# KiCad board data-center-dram-tester.kicad_pcb (continued)
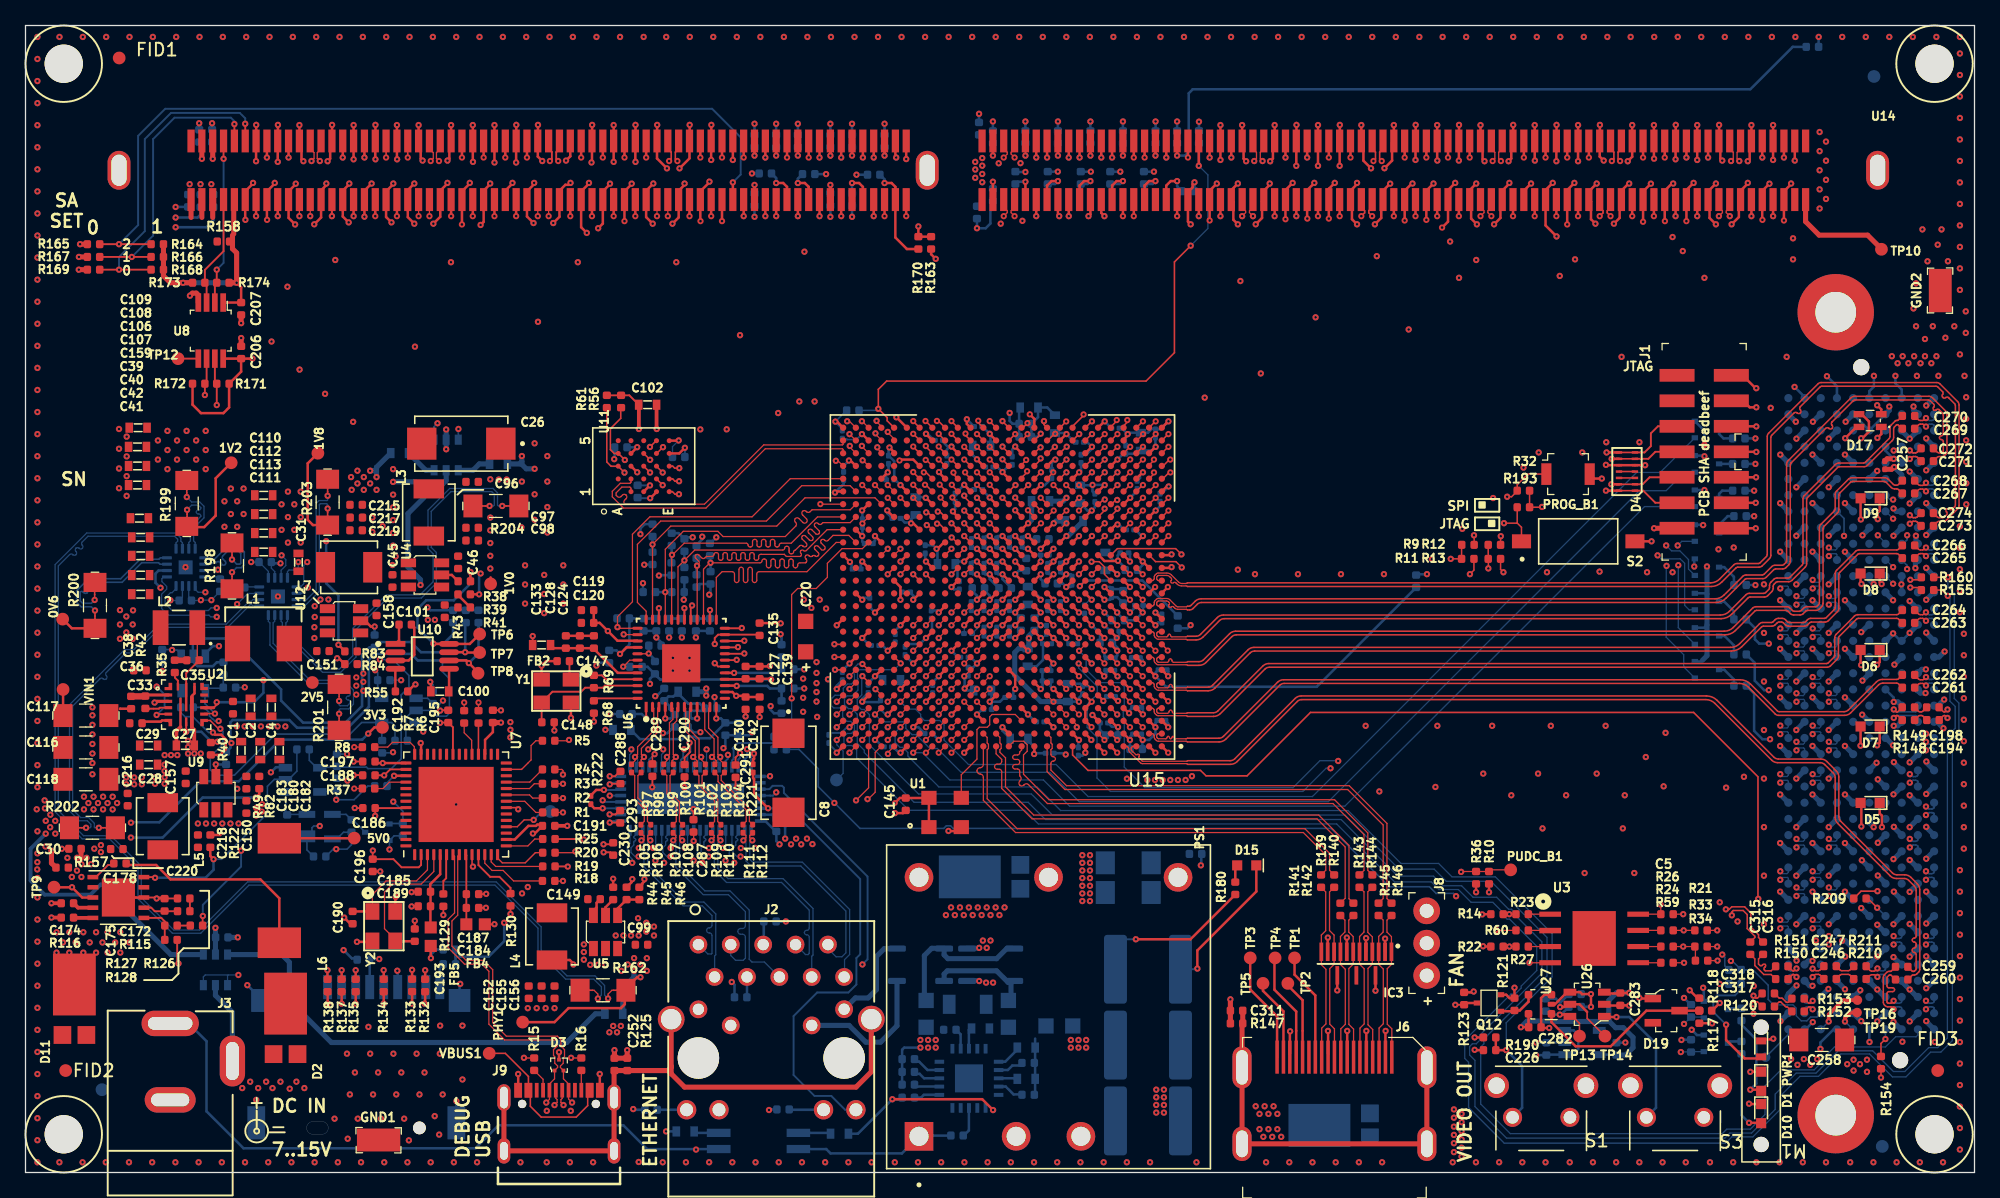
[diagram p0: board, top side]
## Routing (per net, layer and track width the routed paths; a pad name or vN(x,y) marks a point on that pad's centre or on a via; arc(x,y) is an arc through that point) (continued)
  Top w0.2: C130.2 v1(56.49,35.78) ; C127.2 C139.2 58.36,39.71 v1(58.39,39.74) ; C133.2 C128.2 C124.2 ; C147.2 40.84,40.13 v1(40.49,39.78) Y1.2 ; v1(41.49,34.68) 41.47,34.69 C148.2 ; Y1.4 v1(42.79,35.68) ; R68.1 v1(44.59,35.38) ; v1(106.65,18.35) 106.65,18.35 IC3.2 ; v1(105.16,18.39) 105.15,18.38 IC3.5 ; v1(103.65,18.43) 103.65,18.43 IC3.8 ; v1(102.16,18.43) 102.15,18.42 IC3.11 ; v1(106.69,11.11) 106.68,11.12 106.68,9.32 ; 105.18,11.11 v1(105.18,11.11) ; 105.18,11.12 105.18,9.31 ; 103.68,11.11 v1(103.68,11.11) ; 103.68,11.12 103.68,9.31 ; 102.18,11.12 v1(102.17,11.11) ; 102.18,11.12 102.18,9.32 ; 99.18,11.1 v1(99.2,11.08) ; 99.18,11.12 99.18,9.3 ; U15.A26 v1(63.64,32.94) ; U15.J12 v2(78.64,40.94) ; U15.B13 v1(76.64,34.94) ; U15.M4 v1(86.64,43.94) ; U15.T3 v1(87.64,47.94) U15.R2 ; 48.47,53.4 48.97,53.9 ; 47.48,55.44 47.98,54.94 ; U15.L16 v1(73.64,42.94) ; v1(48.55,23.02) 48.55,22.85 48.37,22.67 48.37,22.61 R46.2 ; v1(102.7,77.65) 102.24,77.19 U14.189 v2(102.24,74.85) ; U15.R14 v1(75.64,47.94) ; v1(95.44,82.19) U14.53 95.55,80.83 95.55,79.55 v1(95.75,79.35) ; v1(42.4,79.4) 42.74,79.74 U14.109 ; v1(135.77,60.04) 135.25,60.04 134.74,60.55 J1.11 ; v1(49.55,82.2) 49.55,80.95 U14.101 49.54,79.57 v1(50.32,78.79) ; v1(25.74,82.19) U14.129 v1(25.74,79.5) ; v1(99.7,82.2) 99.7,80.95 U14.48 v1(99.69,78.99) ; U15.U10 v1(79.64,48.94) ; v2(100.55,74.85) 100.54,74.86 U14.191 100.54,77.07 101.1,77.64 v1(101.1,77.65) ; C100.1 31.8,38.45 v1(31.75,38.5) ; v1(19.55,77.65) 19.55,77.6 18.94,76.99 U14.281 18.94,74.76 v3(18.95,74.75) ; v1(114.14,82.19) U14.31 114.3,80.78 114.3,79.5 v1(114.45,79.35) ; J1.3 v1(135.72,52.55) ; U14.6 135.37,80.93 ; U14.6 135.25,80.8 135.25,79.5 v1(135.1,79.35) ; U14.6 v1(135.39,82.19) ; v1(119.8,77.65) 119.24,77.09 U14.169 119.24,74.31 v1(120.1,73.45) ; v1(120.1,82.2) 120.1,80.95 U14.24 v1(120.09,79.35) ; v1(40.2,82.2) 40.2,80.95 U14.112 40.19,79.72 v1(40.54,79.37) ; J1.5 v1(135.75,54.55) ; v1(28.71,74.55) 28.29,74.97 U14.270 28.29,76.99 28.85,77.55 v1(28.85,77.6) ; C189.2 30.3,20.89 v1(30.29,20.88) ; v1(17.85,77.65) 17.85,77.6 17.24,76.99 U14.283 17.24,74.76 v1(17.25,74.75) ; v1(104.79,82.19) U14.42 104.95,80.78 104.95,79.39 v1(105.55,78.8) ; v1(59.24,43.09) 59.22,43.11 C135.2 ; U15.M23 v1(66.64,43.94) ; v1(110.74,82.19) U14.35 110.74,79.41 v1(110.75,79.4) ; v2(89.61,45.94) 89.11,45.44 ; v1(51.3,78.79) 52.09,79.57 U14.98 52.1,80.95 v1(52.1,82.2) ; v1(137.09,79.45) U14.4 v1(137.09,82.19) ; v1(36.45,77.6) 36.45,77.55 35.94,77.04 U14.261 35.94,74.59 v1(35.7,74.35) ; 25.48,19.52 v1(25,20) ; v1(125.8,77.6) 125.75,77.6 125.19,77.03 ; U15.W2 88.64,51.94 ; v1(127.05,55.5) D4.5 D4.10 124,55.5 v1(123.97,55.53) ; v1(42.75,77.65) 42.6,77.5 42.35,77.5 41.89,77.04 41.89,77.03 ; U15.R24 v1(65.64,47.94) ; U15.K19 v1(70.64,41.94) ; U14.50 97.85,80.8 97.85,79.56 v1(97.64,79.35) ; U14.50 97.97,80.93 ; U14.50 v1(97.99,82.19) ; Y2.2 27.13,18.1 v1(26,18.1) ; v1(116.8,14.5) R121.2 116.41,13.69 116.15,13.95 Q12.2 ; U15.R8 v1(82.64,47.94) ; v1(33.1,79.4) 33.25,79.55 33.25,80.8 U14.120 ; U15.L1 v1(88.64,43.94) ; v1(33.39,82.19) U14.120 ; U14.120 33.37,80.93 ; U15.B23 v1(66.64,33.94) ; U15.A6 v2(84.64,32.94) ; v1(46.14,79.3) U14.105 v1(46.14,82.19) ; v2(78.78,59.49) 79.14,59.13 U15.AF11 ; v1(130.85,77.65) 130.29,77.09 U14.156 v3(130.29,74.65) ; U15.AA16 73.64,53.94 ; v1(103.09,78.99) U14.44 103.1,80.95 v1(103.1,82.2) ; U15.AD17 72.64,56.94 ; v1(95.1,77.6) 94.59,77.09 U14.198 94.75,76.18 94.75,74.75 v1(95.1,74.4) ; 83.62,34.95 U15.C7 U15.D7 v2(83.64,36.94) U15.E7 ; v1(35.1,79.3) 35.09,79.31 U14.118 v1(35.09,82.19) ; v1(19.8,82.2) 19.8,80.95 U14.136 v1(19.79,79.3) ; v1(116.7,82.2) 116.7,80.95 U14.28 116.55,80.8 116.55,79.56 v1(116.34,79.35) ; v2(120.94,74.39) U14.167 120.94,77.09 v1(121.5,77.65) ; U15.AC20 69.64,55.94 68.63,55.94 v2(68.56,55.87) ; v1(135.1,77.65) 135.1,77.6 134.54,77.03 ; PROG_B1.2 123.05,54.45 v1(123.65,54.45) ; U15.AE14 75.64,57.94 ; U15.U12 v1(77.64,49.94) ; U15.N10 v1(80.64,44.94) ; 85.55,50.85 U15.V5 ; U14.2 v1(138.79,79.4) ; v1(41.4,74.5) 41.89,74.99 U14.254 ; U15.U18 72.04,49.44 71.54,48.94 v1(71.47,48.94) ; v1(72.4,26.8) 72.41,26.79 73.41,26.79 ; U15.P11 v1(79.64,46.94) ; v3(136.25,74.75) 136.24,74.76 U14.149 136.24,77.03 v1(136.8,77.59) ; v1(44.03,73.73) 43.59,74.17 U14.252 43.59,76.99 44.2,77.6 v1(44.2,77.65) ; U15.T9 v1(80.64,47.94) U15.R10 ; v1(135.77,56.54) 135.76,56.55 J1.7 ; v3(92.89,74.7) U14.200 92.89,77.04 v1(93.45,77.6) ; v1(23.7,79.35) 23.9,79.55 23.9,80.8 U14.131 24.05,80.95 v1(24.05,82.2) ; v2(126.89,74.6) U14.160 126.89,76.98 v1(127.5,77.59) ; v1(38.5,82.2) 38.5,80.95 ; v1(129.45,82.2) 129.45,80.95 U14.13 v1(129.44,79.5) ; U15.AA6 84.64,53.94 ; v1(22.65,74.4) 23.19,74.94 U14.276 23.19,77.06 23.6,77.48 v1(23.6,77.6) ; v1(118.1,77.6) 117.54,77.04 U14.171 ; U15.AB13 76.64,54.94 ; U15.L5 v3(85.64,42.94) ; 89.84,47.44 U15.R1 ; U15.U14 v1(75.64,49.94) ; v1(110.45,77.6) 109.89,77.04 U14.180 v2(109.89,74.75) ; 85.68,38.9 U15.G5 ; v1(91.7,77.7) 91.55,77.55 91.55,77.3 91.19,76.94 U14.202 91.19,74.61 v1(91.4,74.4) ; v1(113.68,9.62) 113.7,9.6 C226.2 ; U14.259 37.64,77.04 38.2,77.6 v1(38.2,77.65) ; v1(36.79,82.19) U14.116 v1(36.79,79.25) ; v1(45.85,77.59) 45.85,77.55 45.29,76.99 U14.250 45.29,74.46 v1(44.92,74.09) ; v1(44.4,79.25) 44.44,79.29 U14.107 44.45,80.95 v1(44.45,82.2) ; v1(123.5,82.2) 123.5,80.95 U14.20 123.49,79.71 v1(123.8,79.4) ; U15.C5 85.61,34.96 ; U15.Y19 70.64,52.94 ; v1(125.8,13.1) 125.78,13.11 C283.2 125.09,13.1 123.75,13.1 ; v1(123.25,77.6) 122.64,76.99 U14.165 122.8,76.18 122.8,74.8 v1(123.15,74.45) ; v1(38.64,7.73) 38.65,7.73 38.65,6.59 ; U15.H15 v1(74.64,39.94) ; v1(26.59,75) U14.272 26.59,77.04 v1(27.15,77.6) ; v1(30.59,38.3) 30.53,38.3 R55.2 ; v1(21.15,74.39) 20.64,74.9 U14.279 20.64,76.99 21.2,77.55 v1(21.2,77.59) ; v1(107.05,77.59) 107.04,77.59 106.49,77.03 ; 80.63,55.93 U15.AC10 ; v1(118.4,79.4) 118.39,79.41 U14.26 v1(118.39,82.19) ; U15.E14 v1(75.64,36.94) ; U15.G1 v1(89.64,38.94) ; v1(129.25,77.6) 129.15,77.6 128.59,77.04 U14.158 128.59,74.66 v2(128.6,74.65) ; U15.M11 v1(79.64,43.94) ; U15.V25 v1(65.64,49.94) ; v1(86.46,57.94) 86.46,57.84 86.14,57.52 U15.AE4 ; v2(86.64,41.94) U15.K4 ; v1(135.77,61.54) 135.71,61.54 134.7,62.55 J1.13 ; U15.A1 v2(89.64,32.94) ; v1(124.6,74.45) 125.05,74.9 125.05,76.2 U14.162 ; C101.2 30.5,42.76 30.5,40.62 30.05,40.17 U10.3 ; U14.239 v2(54.64,74.65) ; v1(101.39,82.19) U14.46 v1(101.39,78.99) ; v1(112.45,82.2) 112.45,80.95 U14.33 v1(112.44,79.4) ; v1(126.6,13.7) 126.65,13.65 D19.1 ; U15.M15 v1(74.64,43.94) ; U15.P12 v1(77.64,46.94) ; 3.36,25.4 v1(2.85,25.4) ; C145.2 68.84,28.2 v1(68.2,28.2) ; S2.2 v1(127.55,49.53) ; U14.184 106.35,76.2 106.35,74.9 v1(105.85,74.4) ; U14.39 107.2,80.8 107.2,79.4 v1(106.6,78.8) ; U14.39 v1(107.34,82.19) ; U14.39 107.32,80.93 ; U15.J22 v1(67.64,40.94) ; U2.16 13.26,37.6 13.05,37.4 13.05,36.14 U2.9 ; U15.K11 v1(79.64,41.94) ; 115.84,77.03 116.4,77.6 v1(116.4,77.65) ; v2(108.19,74.7) U14.182 108.19,77.04 108.75,77.6 v1(108.8,77.6) ; v1(47.85,82.2) 47.85,80.95 U14.103 47.84,79.31 v1(47.85,79.3) ; v1(53.65,77.75) 53.65,77.7 52.94,76.99 U14.241 52.94,74.66 v2(52.95,74.65) ; U15.E24 v1(65.64,36.94) ; U15.F21 v1(68.64,37.94) ; v1(53.8,82.2) 53.8,80.95 U14.96 v1(53.79,79.45) ; v2(88.61,45.94) 88.11,45.44 ; U15.C20 v1(69.64,34.94) ; v1(112.15,77.65) 111.59,77.09 U14.178 111.59,74.61 v2(111.12,74.14) ; J1.1 v1(135.72,50.55) ; v1(126.04,82.19) U14.17 126.04,79.7 v1(125.69,79.35) ; U15.P17 v1(72.64,45.94) ; v2(86.64,45.94) U15.P4 ; D3.3 v1(41.85,9.44) ; U15.T21 v1(68.64,47.94) ; v2(34.24,74.39) U14.263 34.24,76.99 34.85,77.6 v1(34.85,77.65) ; U15.L10 v1(80.64,42.94) ; v1(33.1,77.65) 33.1,77.6 32.54,77.04 U14.265 32.54,74.99 v1(31.99,74.45) ; v1(132.6,77.6) 131.99,76.99 U14.154 132.1,76.23 132.1,74.9 v1(132.6,74.4) ; U15.U8 v1(82.64,49.94) ; U7.45 28.91,31.13 ; U14.94 v1(55.49,79.45) ; U15.N12 v1(77.64,44.94) ; U27.3 119.15,13.95 118.88,13.69 118.88,11.4 118.94,11.34 v1(119.52,11.34) ; U15.N5 v1(84.64,45.94) ; U15.H25 v1(64.64,39.94) ; U15.D17 v1(72.64,35.94) ; U15.AD7 83.64,56.94 ; v1(99.4,77.65) 98.84,77.09 U14.193 v3(98.84,74.8) ; U15.L14 v1(75.64,42.94) ; v1(39.85,74.5) 39.34,75.01 U14.257 39.34,76.99 39.9,77.55 v1(39.9,77.65) ; v1(30.5,74.45) 29.99,74.96 U14.268 29.99,77.09 v1(30.5,77.6) ; U15.K13 v1(76.64,41.94) ; U15.F3 v2(87.64,37.94) ; 45.05,6.59 45.05,7.73 v1(45.04,7.73) ; v1(132.9,13.3) 132.3,12.7 R120.1 ; U15.H7 v1(83.64,39.94) ; U15.F11 v1(79.64,37.94) ; v1(127.75,79.55) 127.74,79.56 U14.15 v1(127.74,82.19) ; v1(104.45,74.4) 104.05,74.8 104.05,76.23 U14.187 103.94,77.04 104.45,77.55 v1(104.45,77.65) ; C193.2 v1(30.54,19.75) ; U15.A2 v2(88.64,32.94) ; U15.R5 v1(85.64,46.94) ; U15.T13 v1(76.64,48.94) ; v1(138.5,77.6) 138.5,77.55 137.94,76.99 U14.147 v3(137.94,74.7) ; v1(50.75,74.45) 51.24,74.94 U14.243 51.24,77.03 51.7,77.5 v1(51.7,77.6) ; 63.58,53.44 U15.AA26 ; U15.A5 v2(85.64,32.94) ; v1(49.25,77.6) 48.69,77.04 U14.246 48.69,74.96 v1(49.2,74.45) ; U15.B7 83.61,33.97 ; v1(25.35,74.55) 24.89,75.01 U14.274 24.89,77.04 25.4,77.55 v1(25.4,77.6) ; v1(27.45,79.5) 27.44,79.51 U14.127 27.45,80.95 v1(27.45,82.2) ; U15.T4 v1(86.64,47.94) ; U7.41 31.03,33.67 v1(31,33.7) ; v1(30.29,22) 30.31,22.03 C185.2 ; U15.F4 v2(86.64,37.94) ; 29.14,79.51 U14.125 v1(29.14,82.19) ; U14.195 97,76.2 97,74.9 v1(96.5,74.4) ; U15.E2 v2(88.64,36.94) ; v1(24.45,40.35) 24.58,40.35 25.04,39.89 ; U15.A16 v1(73.64,32.94) ; v1(30.84,82.19) U14.123 31,80.78 31,79.55 v1(31.15,79.4) ; U15.P15 v1(74.64,46.94) ; U15.AB3 87.64,54.94 ; 89.84,48.44 U15.T1 ; U15.Y9 81.64,52.94 ; v1(47.55,77.59) 47.55,77.55 46.99,76.99 U14.248 v2(46.99,74.65) ; v1(121.79,79.35) U14.22 v1(121.79,82.19) ; U15.G8 v2(82.64,38.94) ; U15.K7 v1(83.64,41.94) ; v1(115.2,74.4) 115.7,74.9 115.7,76.2 U14.173 ; v1(29.04,21.63) 29.01,21.6 Y2.4 ; U15.J5 v1(85.64,40.94) ; U15.B4 v1(86.64,33.94) ; U15.W12 77.64,51.94 ; v1(21.49,82.19) U14.134 21.65,80.78 21.65,79.5 v1(21.8,79.35) ; U15.E1 89.6,36.98 ; U15.K9 v1(81.64,41.94) ; v2(87.64,45.94) U15.P3 ; v1(109.05,82.2) 109.05,80.95 U14.37 v1(109.04,79.45) ; U15.C10 v1(80.64,34.94) ; U15.N20 v1(69.64,44.94) ; U15.AB23 v1(67.64,54.94) ; U15.N11 v1(79.64,44.94) ; U11.E5 51.22,57.42 ; v1(113.85,74.4) 113.4,74.85 113.4,76.23 U14.176 113.29,77.09 v1(113.8,77.6) ; U15.N14 v1(75.64,44.94) ; 8.04,36.39 7.43,36.39 7.41,36.38 ; v1(133.83,74.4) 134.4,74.97 134.4,76.2 U14.151 ; IC1.11 IC1.8 ; U15.AF1 89.64,58.94 ; 67.6,51.93 68.09,51.44 ; U15.P13 v1(76.64,46.94) ; U15.L12 v1(77.64,42.94) ; U15.R11 v1(79.64,47.94) ; 68.32,59.26 U15.AF21 ; v1(131.14,79.45) U14.11 v1(131.14,82.19) ; U15.E5 85.58,37 ; v1(93.74,79.45) U14.55 v1(93.74,82.19) ; U15.A7 v1(83.14,32.94) ; U15.K3 87.6,41.98 ; U15.AE24 65.64,57.94 ; U15.G18 v1(71.64,38.94) ; U15.N7 v1(83.64,44.94) ; v1(135.77,58.54) 135.76,58.55 J1.9 ; U15.D4 v1(86.57,36.04) ; v1(133.1,79.4) 132.95,79.55 132.95,80.83 U14.9 132.85,80.95 v1(132.85,82.2) ; U15.R12 v1(77.64,47.94) ; U15.T11 v1(78.64,48.94) ; v1(97.6,77.6) 97.6,77.5 97.14,77.03 ; U14.114 v1(38.49,79.25) ; U15.T15 v1(74.64,48.94) ; U15.M13 v1(76.64,43.94) ; U15.P9 v1(81.64,46.94) ; v1(18.1,82.2) 18.1,80.95 U14.138 v1(18.09,79.35) ; R36.2 v1(113.79,21.99) ; C142.2 v1(57.59,35.74) ; U15.M7 v1(83.64,43.94) ; U15.L26 v1(63.64,42.94) ; U15.C1 v1(89.64,34.94) ; U15.H4 v1(86.64,39.94) ; U15.M9 v1(81.64,43.94)
  Top w0.25: 10.29,36.95 10.3,36.97 11.2,36.97
  Top w0.3: C27.2 13.24,34.73 13.05,34.91 13.05,37.3 ; R116.1 v1(2.04,20) ; C191.2 v1(42.5,27.2) ; C102.2 49.5,58.35 ; C174.2 v1(2.04,21.13)
  Top w0.4: v1(16.92,66.64) C207.2 ; v1(12.9,68.8) 13.1,69 13.4,69 13.56,68.84 U8.4 ; C257.2 146.03,56 v1(146.55,56) ; v1(94.51,13.58) C311.1 R147.1 ; R169.2 v1(4.18,70.84) ; v1(47.2,9.6) R125.1 C252.1 v1(46.2,9.6) ; R165.2 v1(4.28,72.84) ; v1(16.92,65.48) C206.2 ; R167.2 v1(4.19,71.84)
  Bottom w0.1: v1(14.11,45.53) 13.54,45.53 13.34,45.73 13.34,45.99 U19.1 ; C65.2 75.37,44.94 v1(75.64,44.94) ; v1(20.09,48.43) 20.42,48.09 20.42,47.63 20.05,47.26 U20.3 ; v1(80.64,44.94) 80.37,44.94 C51.2 ; v1(74.64,43.94) 74.37,43.94 C64.2 ; v1(65.64,36.94) 65.68,36.94 ; C54.2 81.64,41.72 v1(81.64,41.94) ; C67.2 75.37,42.94 v1(75.64,42.94) ; U19.15 15.02,47.23 v1(15.09,47.3) ; C50.2 81.37,43.94 v1(81.64,43.94) ; C235.2 19.05,47.17 U20.1 ; v1(12.55,47.5) 12.56,47.49 U19.17 ; U16.1 47.39,31.82 47.39,32.78 47.53,32.91 v1(47.53,33.2) ; U16.6 49.89,31.82 49.89,32.79 50.03,32.92 v1(50.03,33.2) ; U20.15 18.32,45.43 17.43,45.43 v1(16.6,44.6) ; 83.1,44.55 83.49,44.94 v1(83.64,44.94) ; v1(49.22,25.47) 49.43,25.68 49.43,26.83 U16.44 ; C77.2 79.64,41.67 v1(79.64,41.94) 79.79,41.94 80.09,42.24 ; v1(76.64,41.94) 76.37,41.94 C68.2 ; U16.39 51.93,26.83 51.93,25.68 v1(51.72,25.47) ; U16.33 54.93,26.83 54.93,25.68 v1(54.72,25.47) ; v1(51.24,57.44) 50.75,56.95 C103.2 ; C66.2 76.37,43.94 v1(76.64,43.94) ; C55.2 77.37,44.94 v1(77.64,44.94) ; v1(11.37,44.9) 11.39,44.88 C234.2 12.31,45.14 U19.3 ; C7.2 77.69,42.94 v1(77.64,42.94) 77.37,42.94 C69.2 ; U20.6 21.7,45.45 v1(22.15,45.9) ; v1(53.43,33.2) 53.43,31.81 U16.13 ; v1(73.64,42.94) 73.64,42.31
  Bottom w0.12: Q11.2 v1(28.55,25.35)
  Bottom w0.127: R216.2 17.17,38.05 v1(17.2,38.08) ; R212.1 21.24,26.38 U18.1 ; R215.1 31.96,38.29 v1(31.75,38.5) ; v1(28.83,32.98) 28.78,32.92 R217.2 ; C233.2 22.07,25.31 U18.1 ; v1(25.22,32.83) 25.22,32.83 R213.2 ; U18.1 22.47,26.78 22.47,27.05 22.61,27.19 v1(23.08,27.19) ; v1(25.25,30.75) 25.06,30.94 C236.2 ; R214.1 v1(10.72,39.35) ; R124.1 28.91,26.42 Q11.2 ; v1(28.91,31.13) 28.36,30.58 C232.2 ; C237.2 14,36.5 14.43,36.07 14.43,35.83 14.65,35.61 14.68,35.61 14.86,35.42 v1(15.15,35.42) ; v1(65.61,57.94) 65.18,57.51 64.46,57.51 64.41,57.55 64.1,57.55 C90.2 ; C275.2 v1(29.46,38.63)
  Bottom w0.15: v1(48.98,53.91) 48.05,53.91 ; v1(51.66,33.21) 51.59,33.14 51.59,32.56 51.41,32.38 U16.9 ; U16.24 58.41,29.58 58.42,29.57 58.63,29.57 v1(58.89,29.83) ; U16.53 45.84,29.58 v1(45.83,29.57) ; v1(45.83,30.46) 45.95,30.58 U16.55 ; v1(45.83,27.46) 45.95,27.58 U16.49 ; C134.2 54.05,36.61 v1(54.05,37.3) ; v1(56.6,33.22) 56.6,32.6 56.41,32.41 U16.19 ; U16.16 54.91,32.29 55.1,32.48 v1(55.1,32.77) ; 65.67,36.91 v1(65.64,36.94) ; U16.21 58.38,31.08 v1(58.4,31.1) ; v1(63.64,32.94) 63.64,33.01 63.02,33.63 C306.2
  Bottom w0.2: R94.2 49.86,41.6 v1(49.49,41.98) C131.2 C123.2 ; v1(44.79,39.78) 45.01,39.99 C136.2 ; C141.2 C126.2 v1(52.59,41.98) ; C138.2 v1(51.49,41.98) ; C122.2 v1(50.49,41.98) ; 61.94,78.34 v1(62.8,78.34) ; v1(90.34,82.47) C153.2 ; v1(88.52,78.53) 87.76,78.53 ; C121.2 49.49,37.37 v1(49.4,37.37) ; Q2.2 131.45,40.1 131.55,40.2 ; v1(51.64,44.94) 51.67,44.97 R92.2 ; J5.D22 146.55,37.26 v1(146.55,36.92) ; v1(70.62,52.94) 70.56,53 C6.2 ; v1(46.18,55.97) 46.22,56.01 46.22,56.9 ; v1(88.64,43.94) 88.79,43.79 C253.2 ; C89.2 67.7,55 v1(67.64,54.94) 67.5,54.81 C92.2 ; v1(79.64,44.94) 79.64,45.04 78.7,45.97 C22.2 ; R90.2 52.88,46.17 R91.2 53.74,45.44 v1(53.64,45.34) ; v1(71.64,38.94) 71.16,38.46 C307.2 ; C11.2 82.09,46.84 81.99,46.94 v1(81.64,46.94) 81.39,46.94 81.19,47.14 C47.2 ; v1(59.24,42.24) 59.31,42.17 R96.2 ; C298.2 67.6,51.73 v1(67.6,51.95) ; C308.2 75.79,36.79 v1(75.64,36.94) ; J5.C40 147.18,61.44 146.68,61.93 v1(146.68,62.51) ; v1(65.64,36.94) 65.64,37.17 C299.2 ; v1(77.2,59.6) 77.2,58.97 77.43,58.75 C146.2 ; v1(87.64,47.94) 87.64,47.68 C37.2 ; Q9.2 131.65,56.25 v1(131.7,56.2) ; C56.2 78.19,49.09 78.34,48.94 v1(78.64,48.94) ; v1(83.7,53.95) 83.68,53.92 C80.2 ; v1(83.7,53.95) 83.7,53.45 C72.2 ; v1(83.7,53.95) 84.65,53.95 v1(84.66,53.94) ; v1(66.64,43.94) 66.22,44.35 C279.2 ; v1(57,34.55) 56.76,34.31 C140.2 C137.2 54.9,33.45 v1(54.75,33.3) ; C15.2 77.24,34.06 76.64,34.66 v1(76.64,34.94) ; C203.2 14.74,74.72 14.19,74.17 v1(11.78,74.17) ; C114.2 82.75,38.35 C53.2 83.41,38.17 v1(83.64,37.94) ; Q1.2 v1(131.7,53.55) ; C94.2 65.8,49.35 65.64,49.51 v1(65.64,49.94) 65.65,49.95 C93.2 ; v1(83.57,78.53) 82.81,78.53 ; v1(130.9,47.55) 130.9,48.1 Q5.2 ; v1(130.7,11.2) 131.12,10.78 131.65,10.78 ; v1(66.64,33.94) 66.71,33.94 67.25,33.4 C84.2 ; v1(81.6,32.8) 81.5,32.9 C305.2 ; C276.2 65.52,47.82 v1(65.64,47.94) ; C63.2 76.19,49.04 76.29,48.94 v1(76.64,48.94) ; C313.2 140.66,89.1 v1(140.66,89.1) ; v1(79.64,37.94) 79.78,38.08 C86.2 79.77,38.58 C303.2 ; v1(89.64,38.94) 89.64,39.31 89.52,39.43 C250.2 ; C165.2 v1(67.39,82.29) ; J5.G1 141.84,11.23 140.8,10.2 v1(140.8,9.7) ; v1(69.64,44.94) 69.65,44.95 69.65,45.25 69.4,45.5 69.4,45.55 ; v1(86.64,39.94) 86.64,40.26 86.78,40.4 C251.2 ; C177.2 v1(63.14,74.99) ; C10.2 25.91,16.8 25.6,16.8 v1(24.95,17.45) ; C295.2 77.21,55.53 v1(76.64,54.96) 76.25,55.35 C44.2 ; C302.2 66.93,36.91 65.67,36.91 ; C81.2 75.7,57.9 v1(75.64,57.96) 75.07,58.53 C74.2 ; C85.2 82.91,32.71 v1(83.14,32.94) ; C248.2 86.85,34.4 86.64,34.19 v1(86.64,33.94) 86.64,33.94 C256.2 ; C88.2 69.22,41.47 70.17,41.47 v1(70.64,41.94) 71.11,42.41 71.11,43.4 C301.2 ; v1(92.2,24.1) 92.24,24.14 92.24,24.9 ; C286.2 83.19,56.32 83.66,56.78 v1(83.66,56.94) 83.3,57.3 C296.2 ; R89.2 51.69,45.55 ; v1(79.64,47.94) 79.63,47.95 C9.2 ; 80.28,49.7 80.28,49.59 v1(79.64,48.94) ; Q4.2 131.7,42.75 131.9,42.95 ; v1(75.64,36.94) 76.44,36.94 76.78,37.28 C310.2 ; v1(75.64,36.94) 75.78,37.08 75.78,37.83 ; v1(55.4,14.95) 55.62,14.73 55.62,13.75 ; v1(74.8,83.07) 74.8,83.07 C204.2 ; C61.2 75.19,49.76 75.36,49.94 v1(75.64,49.94) ; C76.2 87.43,54.5 87.43,54.71 v1(87.66,54.94) ; v1(59.15,25.75) 58.9,26 C292.2 58.84,26.77 58.03,27.58 U16.28 ; v1(88.65,82.47) C154.2 ; C146.2 77.94,59.94 R66.2 ; C146.2 C18.2 ; v1(86.46,57.94) 86.57,58.05 C24.2 88.05,58.05 88.35,58.35 88.6,58.35 C34.2 89.03,58.31 v1(89.66,58.94) ; v1(86.46,57.94) 86.31,57.79 C71.2 ; v1(86.46,57.94) 85.99,58.4 C75.2 ; v1(75.64,47.94) 75.37,47.94 75.19,47.76 C59.2 ; 58.88,19.7 v1(59.65,19.7) ; J5.F39 J5.E38 J5.D39 145.91,59.5 ; C32.2 74.01,53.59 v1(73.64,53.96) 72.95,53.27 C278.2 ; C19.2 79.98,46.22 79.64,46.56 v1(79.64,46.94) ; R93.2 48.55,47.7 v1(48.54,47.69) ; v1(49.69,46.84) 49.72,46.87 R77.2 ; v1(84.64,45.94) 85.08,45.94 85.2,45.82 C238.2 85.97,45.78 C239.2 ; v1(88.66,51.94) 89,52.28 C143.2 ; C60.2 74.19,47.06 74.31,46.94 v1(74.64,46.94) ; v1(15.17,41.3) 14.69,41.3 14.11,40.72 U23.3 ; v1(52.94,34.55) 52.4,34.55 51.99,34.97 C125.2 ; C144.2 77.91,47.22 v1(77.64,46.94) ; J7.10 34.05,14.75 v1(34.1,14.8) ; v1(91.7,77.7) 91.7,77.02 C211.2 ; C79.2 72.82,45.75 v1(72.64,45.94) ; C95.2 68.22,41.53 v1(67.64,40.94) 67.23,41.35 C294.2 ; 30.65,35.31 30.89,35.31 31.2,35 v1(31.2,34.6) ; J5.J1 139.63,11.23 v1(140.2,11.8) ; Q3.2 131.85,45.45 131.9,45.4 ; C21.2 86.18,50.42 85.75,50.85 v1(85.66,50.85) ; C58.2 77.19,49.79 77.34,49.94 v1(77.64,49.94) ; C129.2 50.84,34.97 50.35,34.47 v1(50,34.47) ; v1(86.57,36.04) 86.57,36.22 86.85,36.5 C249.2 ; Q7.2 131.65,14.45 v1(131.6,14.5) ; v1(146.55,56) 146.54,56 145.91,56.63 J5.D37 ; C167.2 v1(63.14,82.29) ; C255.2 89.42,35.43 89.64,35.21 v1(89.64,34.94) ; C205.2 v1(74.64,74.09) 75.32,74.09 75.69,74.47 75.69,76.02 C208.2 ; v1(86.64,47.94) 86.64,48.54 86.55,48.62 C300.2 ; v1(74.64,48.94) 74.36,48.94 74.23,49.07 C57.2 ; C169.2 v1(58.89,82.29) ; v1(80.64,47.94) 80.36,47.94 80.19,47.76 C49.2 ; v1(80.78,55.94) 80.5,55.66 C43.2 ; C14.2 75.24,45.67 75.64,45.26 v1(75.64,44.94) ; C202.2 13.74,75.17 13.5,74.93 v1(11.78,74.93) ; C231.2 71.19,49.22 v1(71.47,48.94) 71.54,48.87 C23.2 ; C181.2 v1(65.19,78.29) ; R185.1 v1(92.05,82.45) ; C309.2 74.15,40.42 v1(74.64,39.94) 74.32,39.62 C82.2 ; C173.2 v1(56.99,78.39) ; C281.2 125.49,10.19 v1(125.5,10.2) ; R95.2 58.72,36.03 58.45,36.3 v1(58.45,36.6) ; v1(147.8,42.34) J5.C25 147.09,41.72 v1(146.5,42.3) ; C241.2 85.22,34.97 85.68,34.97 v1(85.7,34.95) 85.69,34.94 C245.2 ; v1(78.44,78.51) 77.68,78.51 ; R184.2 v1(50.25,3.22) ; C297.2 71.97,57.33 72.34,56.96 v1(72.64,56.96) 72.51,56.96 72.28,56.72 C73.2 ; J7.13 v1(18.1,5.7) ; v1(80.99,82.47) C162.2 ; v1(63.5,53.36) 64.18,54.03 C91.2 ; J5.J40 139.56,60.86 v1(138.77,61.64) ; C62.2 76.19,47.05 76.3,46.94 v1(76.64,46.94) 76.64,46.56 77.34,45.86 C17.2 ; v1(85.64,46.94) 85.33,47.25 84.71,47.25 ; 109.12,46.94 109.92,46.94 v1(109.93,46.95) ; v1(64.64,39.94) 64.07,39.38 C87.2 ; v1(85.66,38.93) 85.41,39.18 C243.2 ; v1(86.09,82.47) C160.2 ; C254.2 87.03,44.33 v1(86.64,43.94) ; v1(45.88,35.95) 45.9,35.97 46.62,35.97 ; 81.58,52.86 v1(81.66,52.94) ; v1(19.25,31.4) 19.65,31.8 20.42,31.8 ; C201.2 11.78,75.76 v1(11.78,75.76) ; J7.6 29.2,15.8 v1(29.17,15.83) ; C77.2 79.82,40.22 79.31,39.71 C25.2 ; v1(78.44,82.47) C163.2 ; C170.2 v1(57.19,82.29) ; v1(80.64,34.94) 80.22,35.36 C304.2 ; v1(17.4,14.7) 18.55,13.55 J7.11 ; C240.2 85.79,42.14 85.26,41.61 C13.2 85.64,41.2 v1(85.64,40.94) 85.64,40.56 85.45,40.38 C244.2 ; J7.12 v1(33.8,5.6) ; v1(145,62.51) 145,61.67 144.63,61.31 J5.E40 ; v1(79.64,43.94) 79.2,43.5 C115.2 ; Q6.2 131.57,50.83 v1(131.6,50.8) ; C179.2 v1(64.84,74.99) ; U25.2 119.31,10.2 C280.2 118.51,10.19 v1(118.5,10.2) ; C168.2 v1(60.59,82.29) ; v1(17.7,47.9) C235.2 ; C3.2 v1(68.64,37.94) ; J5.G40 142.09,61.69 v1(141.31,62.48) ; v1(75.89,82.47) C164.2 ; C199.2 v1(14.64,82.33) ; Q10.2 131.7,58.2 v1(131.7,57.1) ; J5.E1 144.63,10.25 v1(144.65,10.24) ; C200.2 v1(13.63,82.33) ; C83.2 70.53,34.45 70.04,34.94 v1(69.64,34.94) ; v1(85.7,37) 85.7,37.12 C242.2 ; 133.62,14.8 v1(132.9,14.8) ; v1(83.54,82.47) C161.2 ; C166.2 v1(64.84,82.29) ; v1(80.98,78.53) 80.22,78.53 ; C171.2 v1(57.19,74.99) ; v1(85.88,78.53) 85.12,78.53
  Bottom w0.3: J5.C28 147.18,46.12 v1(147.15,46.15) 147.18,46.17 J5.C29
  Bottom w0.4: v1(140.18,48.71) J5.H30 ; v1(149.1,14.46) 149.69,15.05 J5.A4 ; J5.C33 146.76,51.88 v1(146.53,52.1) ; v1(147.8,22.02) J5.B10 ; v1(137.64,44.9) J5.K27 ; v1(138.91,19.48) J5.J8 ; v1(147.8,44.84) 148.38,44.25 J5.B27 ; J5.C5 147.12,16.31 v1(146.53,16.9) ; 138.28,17.58 138.93,16.94 v1(138.93,16.62) ; J5.E5 v1(145.26,16.94) 145.91,17.58 ; J5.E14 144.63,27.44 v1(144.97,27.1) ; J5.A5 149.1,16.93 v1(149.1,16.96) ; J5.C9 146.56,22.01 v1(146.56,22.04) ; J5.B11 148.38,23.94 v1(147.8,24.52) ; v1(140.18,33.47) J5.H18 ; v1(145.26,11.86) J5.D2 ; v1(142.72,25.85) J5.F12 ; v1(141.45,34.72) J5.G20 ; J5.B30 148.25,47.87 v1(148.25,47.42) ; v1(138.91,53.77) 139.56,54.42 ; v1(148.1,60.1) 148.1,59.84 J5.B39 ; v1(146.56,27.12) 146.56,27.09 J5.C13 ; v1(140.45,18.2) 140.45,17.96 140.82,17.58 ; v1(142.72,41.09) J5.F24 ; 131.55,40.2 131.9,40.55 v1(131.9,47.55) ; v1(144.97,46.17) 144.63,46.52 J5.E29 ; J5.A17 149.11,32.16 v1(149.11,32.25) ; J5.C38 147.18,58.2 v1(147.8,57.58) J5.B38 ; v1(141.45,53.77) 142.09,54.42 ; J5.B23 148.75,39.48 v1(149.07,39.48) ; J5.A8 149.69,20.12 v1(149.1,19.54) ; J5.A28 149.69,45.53 v1(149.1,44.94) ; v1(138.91,49.96) J5.J32 ; v1(141.45,19.48) J5.G8 ; v1(149.1,22.04) 149.1,22.01 J5.A9 ; v1(145.3,25.88) 145.9,26.47 J5.D13 ; v1(146.56,32.2) 146.56,32.17 J5.C17 ; v1(147.8,32.18) J5.B18 ; J5.C1 147.12,11.23 v1(146.53,11.82) ; v1(138.91,27.1) J5.J14 ; 148.44,54.42 148.38,54.42 v1(147.8,55) ; v1(147.8,19.5) J5.B7 ; J5.E11 144.62,23.94 v1(144.05,24.5) ; v1(145.3,30.85) 145.87,30.28 J5.D16 ; v1(138.93,14.67) 138.28,14.03 J5.K3 ; v1(146.53,19.48) J5.C8 ; J5.A21 150.03,36.64 v1(150.51,37.11) ; v1(33,56.75) U17.2 v1(33,58.3) ; v1(146.5,42.3) 145.91,41.72 J5.D25 ; J5.A1 149.1,11.85 v1(149.1,11.88) ; v1(137.64,41.09) J5.K24 ; J5.A13 149.1,27.09 v1(149.1,27.12) ; J5.D3 145.84,13.78 v1(145.26,14.36) 144.63,14.98 J5.E4 ; v1(146.5,44.9) 145.91,45.5 J5.D28 ; v1(137.67,11.88) 138.28,12.5 J5.K2 ; v1(145.2,32.15) 144.63,31.58 J5.E17 ; 137.64,56.33 J5.K36 ; v1(142.72,37.28) J5.F21 ; v1(137.64,29.66) J5.K15 ; J5.C36 146.86,56 v1(146.55,56) ; J5.A12 149.69,25.2 v1(149.1,24.62) ; v1(147.8,27.1) J5.B14 ; v1(145.3,23.3) 145.91,22.69 J5.D10 ; v1(149.1,42.36) 149.1,42.33 J5.A25 ; v1(137.64,22.04) J5.K9 ; v1(141.45,30.91) J5.G17 ; J5.A16 149.69,30.28 v1(149.1,29.7) ; v1(147.8,29.6) 148.38,29.02 J5.B15 ; v1(142.72,52.52) J5.F33 ; v1(146.55,36.92) 146.88,36.92 J5.C21 ; v1(138.91,34.72) J5.J20 ; v1(138.91,38.53) J5.J23 ; v1(142.72,33.47) J5.F18 ; J5.C20 146.86,35.05 v1(146.55,35.05) ; C284.2 30.56,54.2 28.85,54.2 v1(28.84,54.19) ; v1(144,20.75) 144.62,20.12 J5.E8 ; v1(149.1,55.1) 149.69,55.69 J5.A36 ; v1(140.18,22.04) J5.H9 ; v1(147.8,42.34) J5.B26 ; J5.K39 v1(138.87,58.91) ; R64.2 81.4,52.68 v1(81.66,52.94) ; J5.F39 v1(142.78,58.91) ; v1(137.64,48.71) J5.K30 ; J5.C16 146.56,29.67 v1(146.53,29.67) ; J5.A40 149.69,60.77 v1(149.1,60.18) ; v1(140.18,14.65) 139.95,14.65 J5.J4 ; J5.C24 147.18,40.42 v1(146.6,39.85) ; v1(141.45,42.34) J5.G26 ; v1(144.1,50) 144.63,50.54 J5.E32 ; J5.C12 146.56,24.59 v1(146.53,24.59) ; v1(145.26,19.44) 145.84,18.86 J5.D7 ; v1(149.1,57.6) 149.1,57.57 J5.A37 ; v1(150.45,34.86) 149.94,35.36 J5.A20 ; v1(145.25,55.05) 144.63,54.44 144.63,54.42 ; J5.J5 139.84,16.6 v1(140.18,16.6) ; v1(141.45,49.96) J5.G32 ; v1(149.09,34.43) 148.78,34.43 J5.B19 ; v1(146.53,49.96) J5.C32 ; v1(142.72,29.66) J5.F15 ; v1(142.72,22.04) J5.F9 ; 138.91,57.58 J5.J38 ; v1(144.1,38.6) 144.63,39.14 J5.E23 ; v1(144,42.4) 144.59,42.98 J5.E26 ; v1(137.64,37.28) J5.K21 ; v1(141.45,57.58) J5.G38 ; v1(149.1,52.52) 149.1,52.49 J5.A33 ; v1(140.18,29.66) J5.H15 ; J5.G4 142.09,15 v1(142.72,14.38) ; v1(138.91,30.91) J5.J17 ; v1(141.45,46.15) J5.G29 ; v1(140.18,25.85) J5.H12 ; J5.D19 145.93,34.09 v1(146.5,33.53) ; v1(140.21,58.91) 140.79,59.5 J5.H39 ; v1(149.1,50.02) 149.69,50.61 J5.A32 ; J5.E20 v1(144.07,35.92) ; v1(140.18,44.9) J5.H27 ; v1(137.64,25.85) J5.K12 ; v1(147.8,11.86) J5.B2 ; v1(142.72,48.71) J5.F30 ; v1(148.29,49.96) 148.29,49.49 J5.B31 ; 143.37,17.58 142.77,18.18 v1(142.5,18.18) ; C285.2 v1(16.65,18.45) ; v1(138.91,23.29) J5.J11 ; J5.B22 148.44,37.81 148.63,37.62 v1(149.04,37.62) ; 142.12,16.31 v1(142.75,16.94) ; J5.B3 148.38,13.78 v1(147.8,14.36) 147.18,14.98 J5.C4 ; v1(140.18,52.52) J5.H33 ; v1(140.18,41.09) J5.H24 ; J5.A24 150.11,40.44 v1(150.54,40.88) ; v1(144,11.88) 143.37,12.5 J5.F2 ; v1(142.72,56.33) J5.F36 ; v1(141.43,14.4) 140.82,13.8 J5.H3 ; v1(146.2,60.1) 146.2,59.8 145.91,59.5 ; J5.F3 143.4,13.78 v1(143.93,14.3) ; v1(149.1,47.44) 149.1,47.41 J5.A29 ; v1(147.8,52.5) J5.B34 ; v1(140.18,56.33) J5.H36 ; v1(138.91,42.34) J5.J26 ; v1(147.8,16.94) 148.44,17.58 ; v1(138.91,46.15) J5.J29 ; v1(140.18,37.28) J5.H21 ; v1(137.64,33.47) J5.K18 ; v1(137.64,52.52) J5.K33 ; v1(141.45,27.1) J5.G14 ; v1(142.72,44.9) J5.F27 ; U24.2 14.9,13.9 16.23,12.57 J3.2 ; v1(141.45,23.29) J5.G11 ; v1(141.45,38.53) J5.G23
  vias: v1(0.94,89.1) v1(0.94,87.37) v1(0.94,85.64) v1(0.94,83.91) v1(0.94,82.18) v1(0.94,80.45) v1(0.94,78.71) v1(0.94,76.98) v1(0.94,75.25) v1(0.94,73.52) v1(0.94,71.79) v1(0.94,70.06) v1(0.94,68.33) v1(0.94,66.6) v1(0.94,64.86) v1(0.94,63.13) v1(0.94,61.4) v1(0.94,59.67) v1(0.94,57.94) v1(0.94,56.21) v1(0.94,54.48) v1(0.94,52.74) v1(0.94,51.01) v1(0.94,49.28) v1(0.94,47.55) v1(0.94,45.82) v1(0.94,44.09) v1(0.94,42.36) v1(0.94,40.62) v1(0.94,38.89) v1(0.94,37.16) v1(0.94,35.43) v1(0.94,33.7) v1(0.94,31.97) v1(0.94,30.24) v1(0.88,28.5) v1(0.94,26.77) v1(0.94,25.04) v1(0.94,23.11) v1(0.94,21.58) v1(0.94,19.85) v1(0.94,18.12) v1(0.94,16.39) v1(0.94,14.65) v1(0.94,12.92) v1(0.94,11.19) v1(0.94,9.46) v1(0.94,7.73) v1(0.94,6) v1(0.94,4.27) v1(0.94,2.53) v1(0.94,0.8) v1(2.67,89.1) v1(2.66,0.8) v1(4.5,89.1) v1(4.48,0.8) v1(5.25,36.5) v1(5.25,35.88) v1(5.25,35.12) v1(5.25,34.38) v1(5.25,33.62) v1(5.25,32.88) v1(5.25,32.12) v1(5.25,31.25) v1(5.4,25.41) v1(5.92,25.69) v1(5.92,25.14) v1(6.33,89.1) v1(6.3,0.8) v1(7.34,58.34) v1(7.34,56.79) v1(7.34,55.24) v1(7.34,53.69) v1(7.41,44.13) v1(7.41,43) v1(7.41,41.88) v1(7.94,57.74) v1(7.94,56.19) v1(7.94,54.64) v1(7.94,53.09) v1(7.91,43.63) v1(7.91,42.38) v1(7.9,31) v1(7.9,30.46) v1(8.12,0.8) v1(8.16,89.1) v1(8.44,44.11) v1(8.41,43) v1(8.41,41.88) v1(8.53,31) v1(8.53,30.46) v1(9.12,31) v1(9.12,30.46) v1(9.94,0.8) v1(9.99,89.1) v1(10.12,36.88) v1(11.82,89.1) v1(11.76,0.8) v1(12.75,33.88) v1(12.75,33.38) v1(12.75,32.88) v1(13.25,32.88) v1(13.52,27.38) v1(13.65,89.1) v1(13.58,0.8) v1(13.75,32.88) v1(14.16,27.38) v1(14.8,27.38) v1(15.44,27.38) v1(15.4,0.8) v1(15.48,89.1) v1(16.08,27.38) v1(16.58,35) v1(16.61,30.11) v1(16.71,27.38) v1(17,6.62) v1(17.19,35) v1(17.22,0.8) v1(17.31,89.1) v1(17.62,7.12) v1(17.83,35) v1(18.25,6.62) v1(18.47,35) v1(18.88,7.12) v1(19.04,0.8) v1(19.14,89.1) v1(19.1,35) v1(19.3,65.2) v1(19.38,6.62) v1(19.8,45.2) v1(19.78,35) v1(20,7.12) v1(20.09,52.43) v1(20.09,50.43) v1(20.38,35) v1(20.55,69.5) v1(20.59,53.43) v1(20.59,51.43) v1(20.59,49.43) v1(20.72,6.57) v1(20.86,0.8) v1(20.97,89.1) v1(21.09,52.43) v1(21.09,50.43) v1(21.25,7.12) v1(21.5,63) v1(21.59,53.43) v1(21.59,51.43) v1(21.59,49.43) v1(21.88,6.62) v1(22.69,44.44) v1(22.69,43.59) v1(22.66,42.79) v1(22.66,41.94) v1(22.68,0.8) v1(22.8,89.1) v1(23.14,44.96) v1(23.5,61.1) v1(23.76,44.96) v1(24.24,4.22) v1(24.3,71.6) v1(24.5,0.8) v1(24.63,89.1) v1(25.22,9.33) v1(25.28,2.65) v1(25.44,6.12) v1(25.7,58.9) v1(25.74,31.18) v1(25.84,7.85) v1(26.06,4.22) v1(26.32,0.8) v1(26.46,89.1) v1(26.9,11.42) v1(27.04,9.33) v1(27.21,51.39) v1(27.21,50.26) v1(27.26,6.12) v1(27.66,7.85) v1(27.88,4.22) v1(28.01,50.71) v1(28.14,0.8) v1(28.29,89.1) v1(28.84,55.19) v1(28.84,53.19) v1(28.84,52.19) v1(28.84,51.19) v1(28.84,50.19) v1(28.84,49.19) v1(28.79,47.66) v1(28.86,9.33) v1(29.04,48.34) v1(29.08,6.12) v1(29.48,7.85) v1(29.7,4.22) v1(29.96,0.8) v1(30.12,89.1) v1(30.07,2.53) v1(30.55,64.8) v1(30.68,9.33) v1(30.9,6.12) v1(31.3,7.85) v1(31.56,43.36) v1(31.78,0.8) v1(31.95,89.1) v1(32.11,43.36) v1(32.1,4.43) v1(32.45,2.97) v1(32.53,11.53) v1(32.5,9.33) v1(32.72,6.12) v1(33.38,71.42) v1(33.6,0.8) v1(33.79,89.1) v1(33.78,28.88) v1(34.28,11.53) v1(34.28,7.3) v1(35.42,0.8) v1(35.62,89.1) v1(36.46,54.39) v1(36.46,51.39) v1(36.46,50.39) v1(36.46,49.39) v1(36.46,48.39) v1(36.46,47.39) v1(37.12,54.38) v1(37.45,89.1) v1(37.75,54.38) v1(38.82,0.8) v1(39.19,47.64) v1(39.19,46.14) v1(39.19,44.64) v1(39.28,89.1) v1(39.4,22.4) v1(39.4,12.9) v1(40.1,12.9) v1(40.2,66.75) v1(40.69,46.89) v1(40.69,45.39) v1(40.69,43.89) v1(40.8,12.9) v1(40.89,4.84) v1(40.88,0.8) v1(41.11,89.1) v1(41.5,12.9) v1(42.19,47.64) v1(42.19,46.14) v1(42.19,44.64) v1(42.7,0.8) v1(42.77,4.84) v1(42.94,89.1) v1(43.32,71.42) v1(43.8,17.9) v1(43.8,17.3) v1(43.8,16.7) v1(44.3,16.3) v1(44.52,0.8) v1(44.79,89.1) v1(44.9,16.3) v1(45.5,16.3) v1(46.64,89.1) v1(47.99,54.94) v1(48.11,25.46) v1(48.1,0.82) v1(48.49,89.1) v1(48.7,19.6) v1(48.7,18.9) v1(48.85,33.2) v1(49.3,19.3) v1(49.3,18.6) v1(49.41,24.47) v1(49.99,0.8) v1(50.26,89.1) v1(50.61,25.46) v1(50.79,40.38) v1(50.79,39.38) v1(51.05,71.42) v1(51.81,0.8) v1(52.11,89.1) v1(52.09,40.38) v1(52.09,39.38) v1(52.41,24.47) v1(52.93,58.31) v1(53.61,25.46) v1(53.63,0.8) v1(53.95,89.1) v1(54.91,24.47) v1(55,58.31) v1(55.45,0.8) v1(55.8,89.1) v1(56.05,65.7) v1(56.11,25.46) v1(57.22,25.47) v1(57.27,0.8) v1(57.64,89.1) v1(59.04,59.59) v1(59.09,0.8) v1(59.49,89.1) v1(60.05,25.75) v1(60.45,26.2) v1(60.7,60.5) v1(60.85,25.75) v1(60.91,0.8) v1(61.1,72.25) v1(61.05,44.95) v1(61.34,89.1) v1(61.3,26.2) v1(61.65,44.3) v1(61.73,25.77) v1(61.9,60.5) v1(62.3,44.95) v1(62.73,0.8) v1(62.8,44.25) v1(63.18,89.1) v1(64.55,0.8) v1(65.03,89.1) v1(66.37,0.8) v1(66.88,89.1) v1(68.19,0.8) v1(68.72,89.1) v1(70.01,0.8) v1(70.57,89.1) v1(71.83,0.8) v1(72.41,89.1) v1(73.65,0.8) v1(74.26,89.1) v1(75.47,0.8) v1(76.11,89.1) v1(76.34,79.19) v1(76.5,74.45) v1(77.29,0.8) v1(77.95,89.1) v1(78.05,79.2) v1(78.2,74.67) v1(79.11,0.8) v1(79.8,89.1) v1(80.93,0.8) v1(81.64,89.1) v1(82.75,0.8) v1(82.9,24.9) v1(82.9,24.3) v1(82.9,23.7) v1(82.9,23.1) v1(82.9,22.5) v1(82.9,21.9) v1(82.9,21.3) v1(83.49,89.1) v1(83.5,24.9) v1(83.5,24.3) v1(83.5,23.7) v1(83.5,23.1) v1(83.5,22.5) v1(83.5,21.9) v1(83.5,21.3) v1(84.57,0.8) v1(85.34,89.1) v1(86.4,30.9) v1(86.39,0.8) v1(87.18,89.1) v1(88.21,0.8) v1(89.03,89.1) v1(90.87,89.1) v1(91.85,0.8) v1(92.5,60.8) v1(92.72,89.1) v1(94.57,89.1) v1(95.1,47.3) v1(95.3,69.95) v1(96.41,89.1) v1(96.44,46.95) v1(96.9,62.7) v1(97.31,0.8) v1(98.26,89.1) v1(99.13,0.8) v1(99.81,46.95) v1(100.11,89.1) v1(100.95,0.8) v1(101.2,67.1) v1(101.95,89.1) v1(102.78,0.8) v1(103.19,46.95) v1(103.8,89.1) v1(104.6,0.8) v1(105.12,35.05) v1(105.64,89.1) v1(106,71.9) v1(106.2,29.9) v1(106.42,0.8) v1(106.56,46.95) v1(107.49,89.1) v1(108.5,66.15) v1(109.34,89.1) v1(110.32,48.12) v1(110.6,30.25) v1(110.75,35.05) v1(111.16,89.1) v1(111.75,73.05) v1(111.95,0.8) v1(112.45,70.2) v1(112.71,50.51) v1(113.01,89.1) v1(113.8,71.6) v1(113.78,0.8) v1(114.35,31.3) v1(114.86,89.1) v1(115.12,52.92) v1(115.05,35.05) v1(115.6,0.8) v1(116.55,29.6) v1(116.7,89.1) v1(117.42,0.8) v1(117.51,55.31) v1(118.55,89.1) v1(118.7,56.5) v1(118.65,31.3) v1(119,27) v1(119.24,0.8) v1(119.35,47.1) v1(119.65,35.05) v1(120.35,70.35) v1(120.39,89.1) v1(120.85,29.6) v1(121.13,0.8) v1(121.55,71.65) v1(122.12,56.5) v1(122.24,89.1) v1(122.3,23.5) v1(122.95,0.8) v1(123.25,31.3) v1(123.47,47.15) v1(123.95,35.05) v1(124,57.3) v1(124.09,89.1) v1(124.78,0.8) v1(125.2,64) v1(125.3,27) v1(125.45,29.6) v1(125.91,89.1) v1(126.2,23.5) v1(126.6,57.3) v1(126.6,0.8) v1(127.1,32.6) v1(127.2,47.1) v1(127.76,89.1) v1(128.42,0.8) v1(128.5,30.3) v1(128.65,34.5) v1(129.2,73.4) v1(129.2,47.1) v1(129.61,89.1) v1(130,72.3) v1(130.24,0.8) v1(131.45,89.1) v1(131.7,70.2) v1(132.13,0.8) v1(132.8,48.9) v1(132.9,21.2) v1(133.3,89.1) v1(133.4,30.2) v1(134,49.04) v1(133.95,0.8) v1(134.3,19.7) v1(134.8,31.05) v1(135.14,89.1) v1(135.57,14.63) v1(135.55,12.46) v1(135.78,0.8) v1(136.37,46.15) v1(136.37,42.34) v1(136.37,38.53) v1(136.37,34.72) v1(136.37,30.91) v1(136.37,27.1) v1(136.37,23.29) v1(136.37,19.48) v1(136.9,60) v1(136.99,89.1) v1(137.6,0.8) v1(137.65,56.33) v1(138.15,64) v1(138.5,8.9) v1(138.65,73.3) v1(138.65,71.65) v1(138.84,89.1) v1(138.92,57.58) v1(139,8.45) v1(139.42,0.8) v1(139.5,8.9) v1(140,8.45) v1(140.55,8.9) v1(141.24,0.8) v1(142.51,89.1) v1(143.13,0.8) v1(144.36,89.1) v1(144.95,0.8) v1(146.2,89.1) v1(146.78,0.8) v1(147.23,10.26) v1(148.05,89.1) v1(148.1,67.8) v1(148.3,69.77) v1(148.3,66.4) v1(148.37,62.51) v1(148.6,0.8) v1(148.8,74) v1(149,65.4) v1(149.2,71.5) v1(149.61,66.4) v1(149.77,10.24) v1(149.89,89.1) v1(150,72.8) v1(150.05,62.51) v1(150.3,74) v1(150.42,0.8) v1(150.6,65.5) v1(150.8,71.5) v1(151.3,66.4) v1(151.74,89.1) v1(151.74,87.8) v1(151.74,86.12) v1(151.74,84.43) v1(151.74,82.74) v1(151.74,81.06) v1(151.74,79.37) v1(151.74,77.69) v1(151.74,76) v1(151.74,74.31) v1(151.74,72.63) v1(151.74,70.94) v1(151.74,69.25) v1(151.74,64.2) v1(151.74,50.7) v1(151.74,49.02) v1(151.74,47.33) v1(151.74,45.65) v1(151.74,43.96) v1(151.74,23.72) v1(151.74,22.04) v1(151.74,20.35) v1(151.74,18.67) v1(151.74,16.98) v1(151.74,15.29) v1(151.74,13.61) v1(151.74,11.92) v1(151.74,10.23) v1(151.74,8.55) v1(151.74,6.86) v1(151.74,5.18) v1(151.74,3.49) v1(151.74,1.8) v1(152.1,62.51) v1(152.05,42.27) v1(152.05,40.59) v1(152.05,38.9) v1(152.05,37.21) v1(152.05,35.53) v1(152.05,33.84) v1(152.05,32.16) v1(152.05,30.47) v1(152.05,28.78) v1(152.05,27.1) v1(152.05,25.41) v1(152.2,67.57) v1(152.2,65.88) v1(152.23,60.83) v1(152.23,59.14) v1(152.23,57.45) v1(152.23,55.76) v1(152.24,54.08) v1(152.24,52.43) v2(83.62,34.95)
